# Altium PCB PCB.PcbDoc (part 1 of 2)
Units mil, origin at the board's own origin, x right, y up, seen from the top; angles counter-clockwise.
Board outline 3420 x 2445 mil, 2 copper layers (Top Layer, Bottom Layer); 53 components, 88 nets, 358 pads, 317 vias.
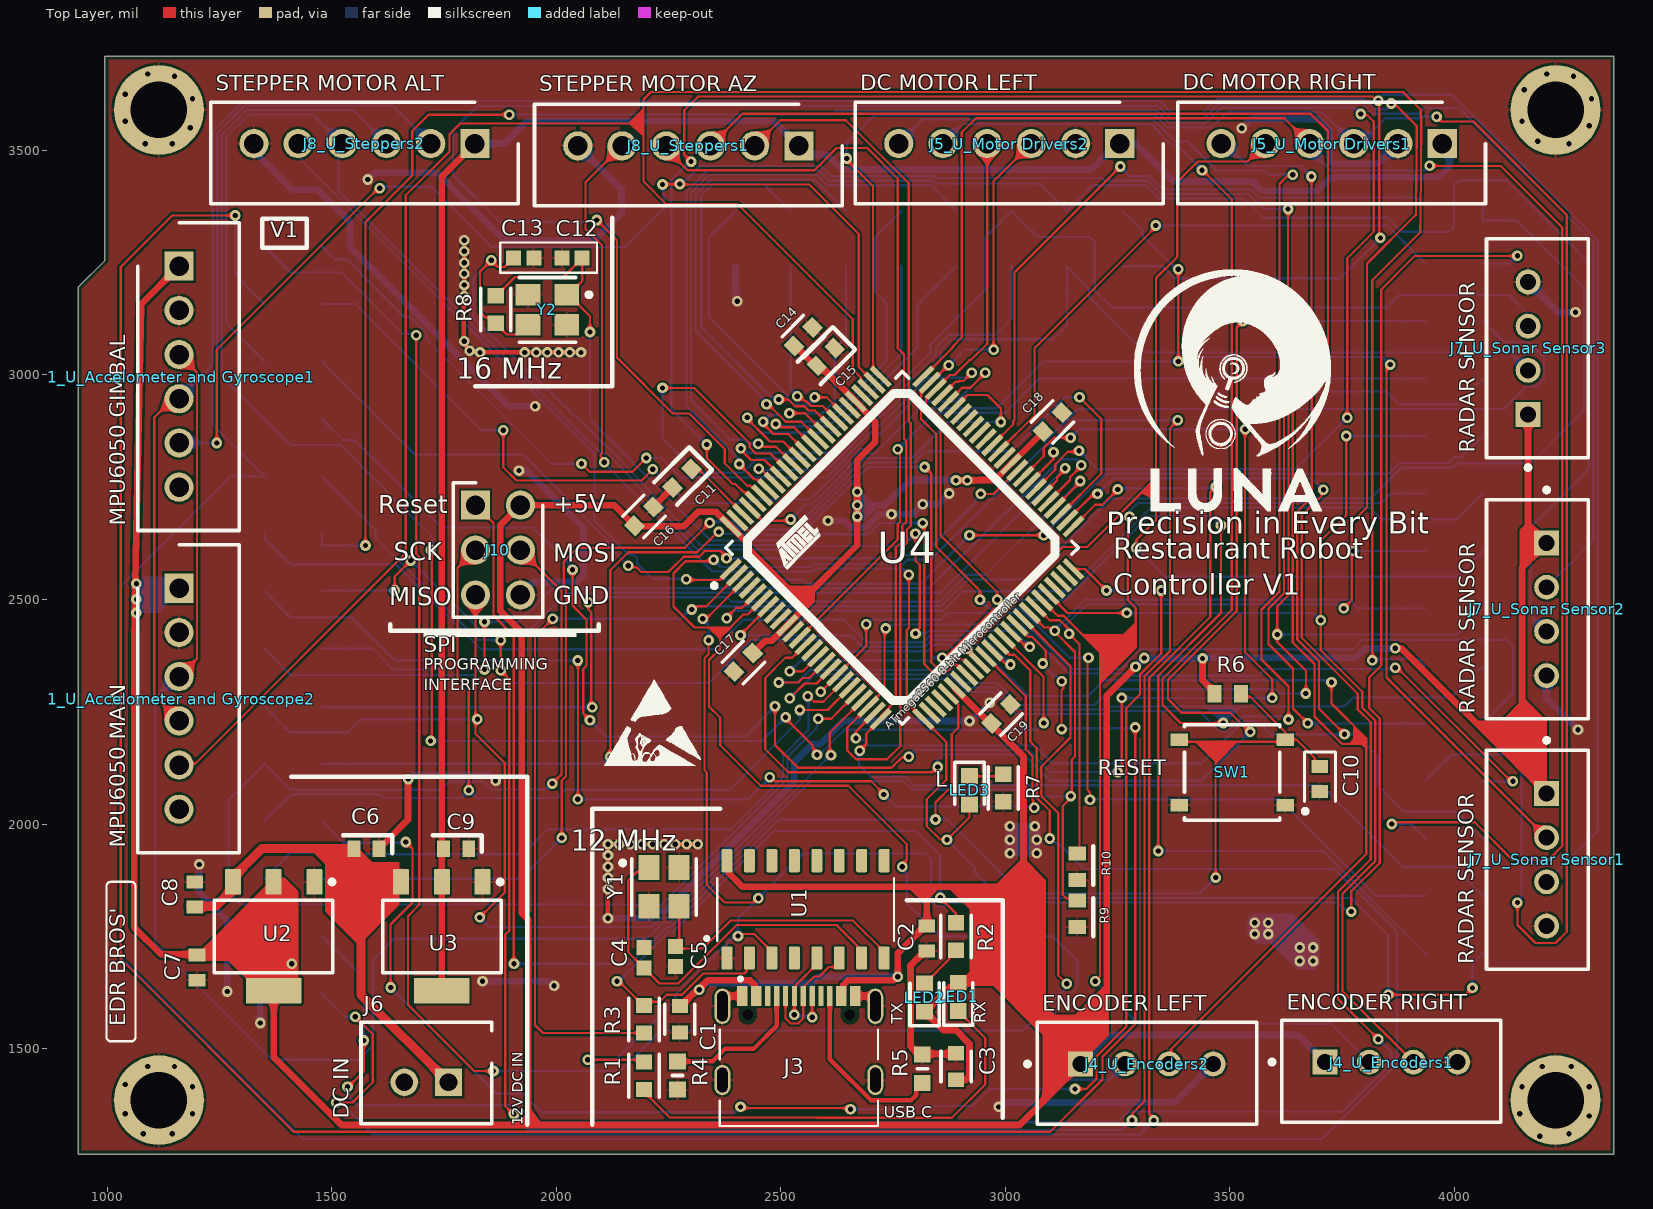
[diagram p0: Top Layer view]
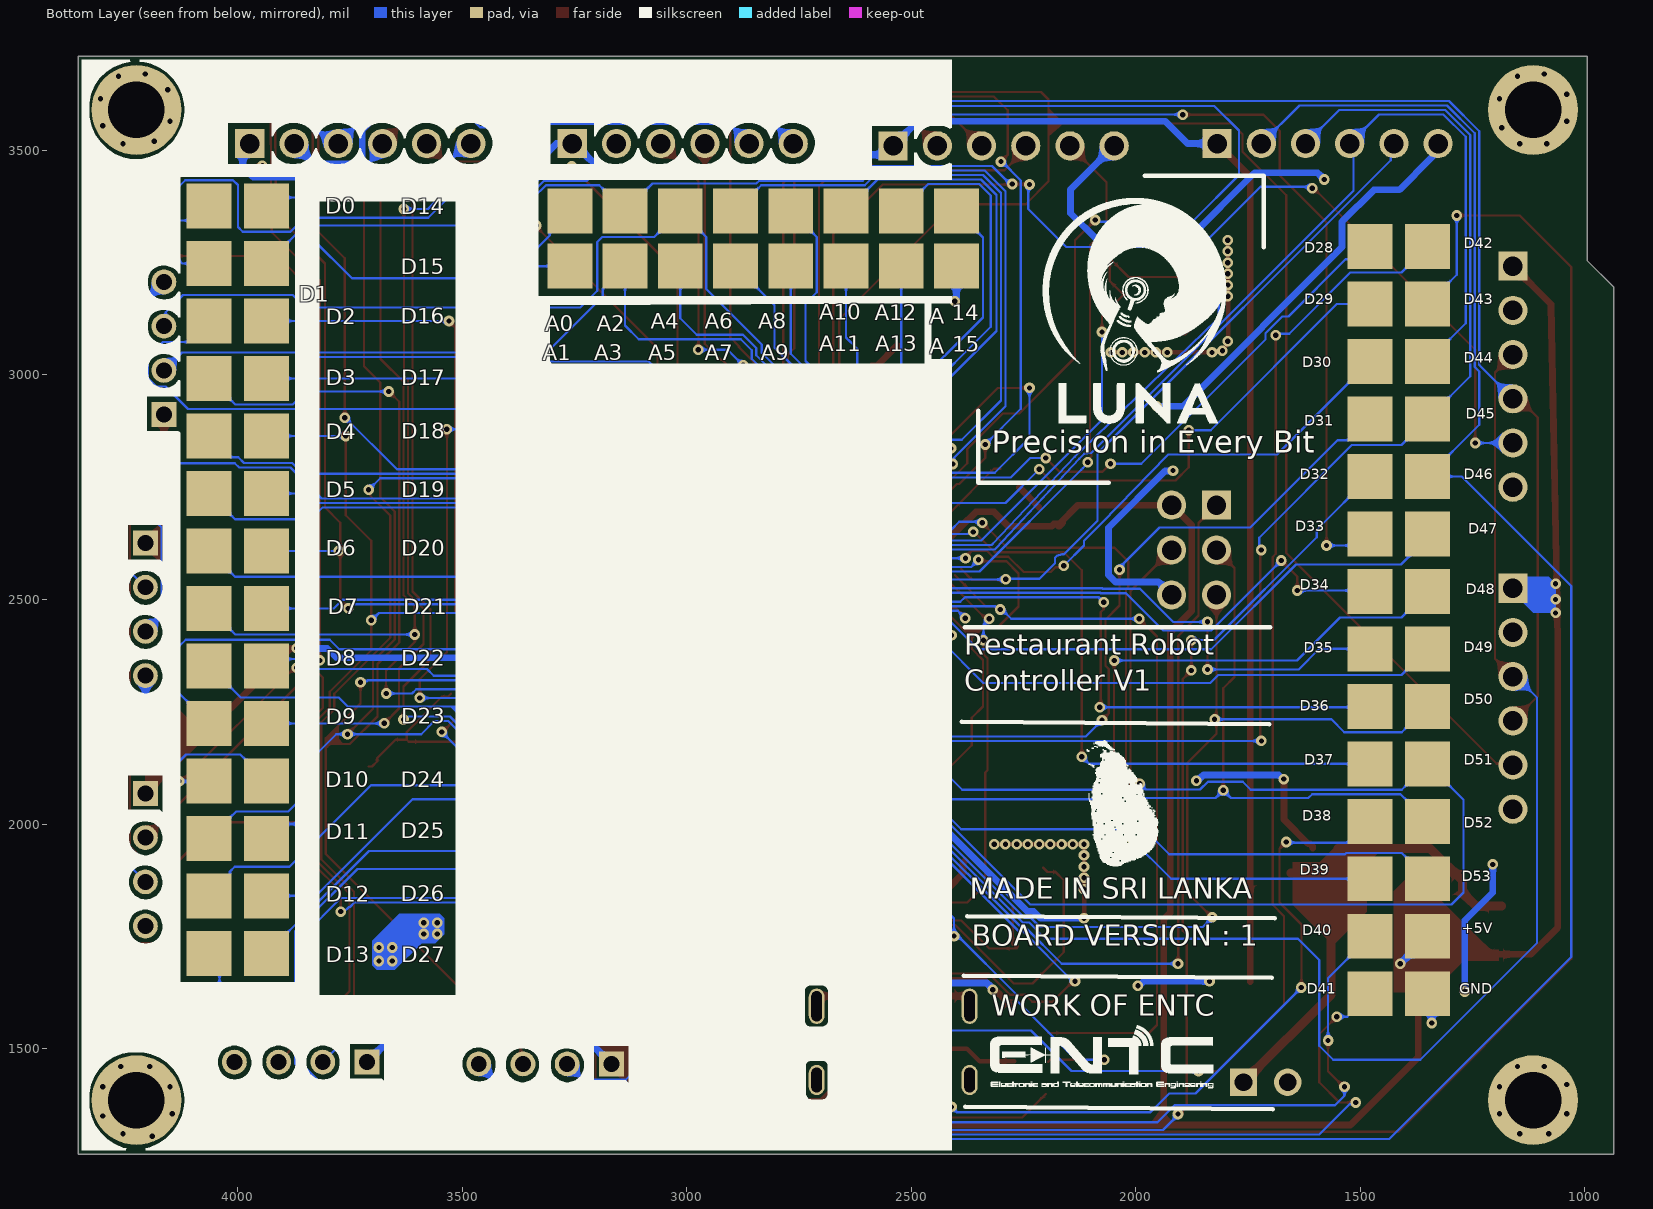
[diagram p1: Bottom Layer view, seen from below]
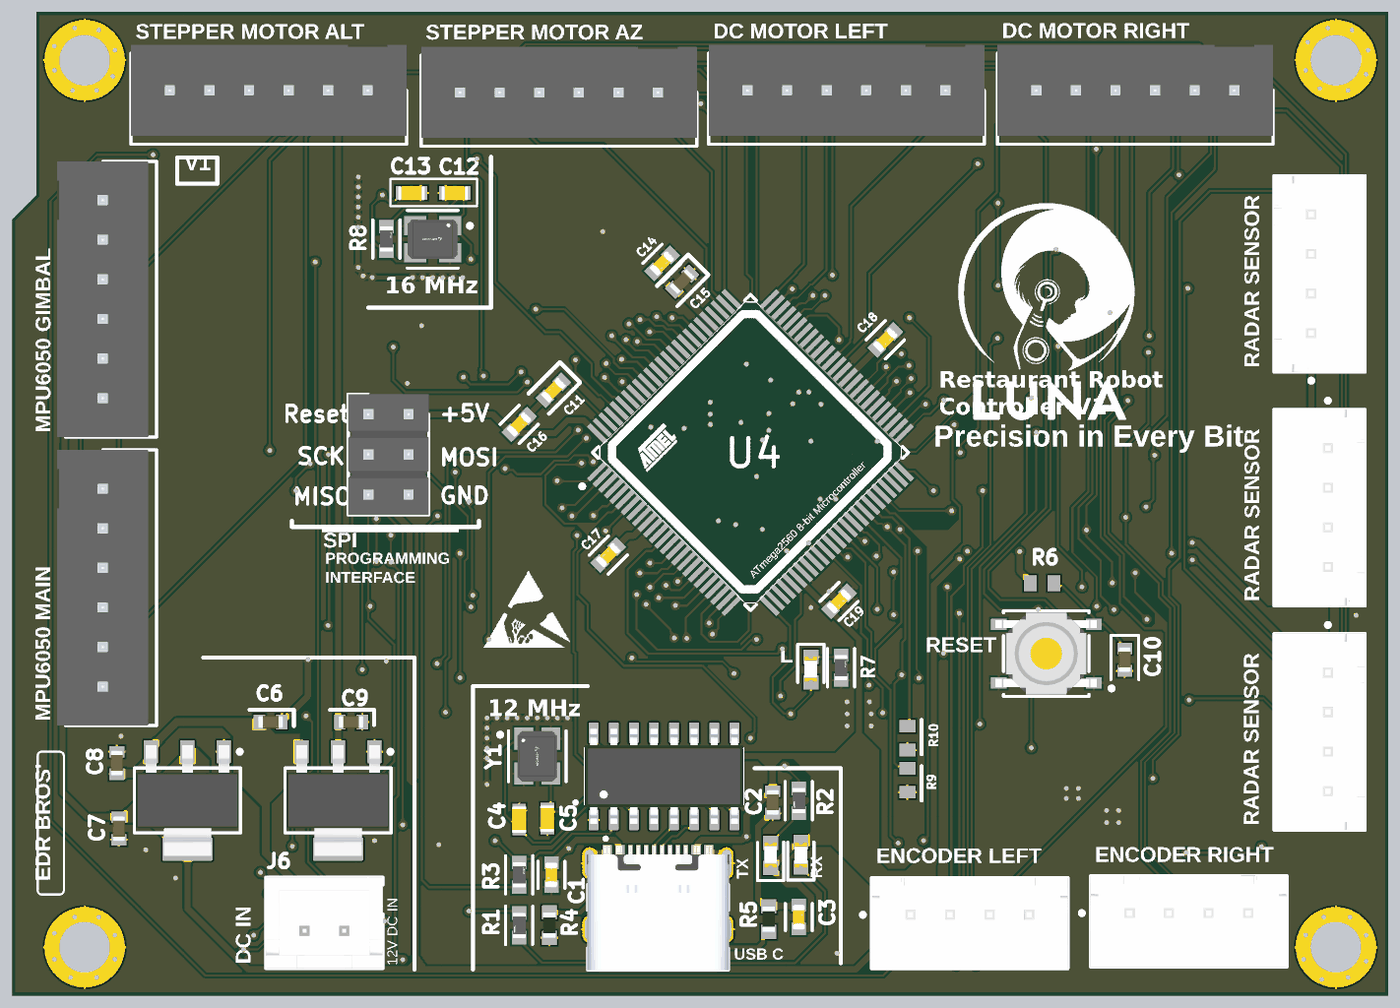
[diagram p3: 3D render of the assembled board from above, using the file's embedded part models]

## Layer stack, top to bottom
Top Solder: solder mask 0.4, Solder Resist, Dk 3.5
Top Layer: signal copper 1.4
Dielectric 1: dielectric 12.6, FR-4, Dk 4.8
Bottom Layer: signal copper 1.4
Bottom Solder: solder mask 0.4, Solder Resist, Dk 3.5

## Board outline
4355,3710 995,3710 995,3255 935,3195 935,1265 4355,1265

## Design rules (kind name [scope] priority, off if disabled: settings)
BoardOutlineClearance [All] p1: gap=7.87 ignorepadtopadclearanceinfootprint=FALSE
Clearance [All] p1: gap=5 ignorepadtopadclearanceinfootprint=FALSE except(9.84: Arc-Hole Track-Hole SMDPad-Hole THPad-Hole Via-Hole Fill-Hole Poly-Hole Region-Hole Text-Hole)
ComponentClearance [All] p1: gap=5 collisioncheckmode=3 verticalgap=5 showdistances=TRUE
DiffPairsRouting [All] p1: maxlimit=10 minlimit=5 mostfreqgap=5 toplayer_minwidth=5 toplayer_maxwidth=1000 toplayer_prefwidth=5 bottomlayer_minwidth=5 bottomlayer_maxwidth=1000 bottomlayer_prefwidth=5 maxuncoupledlength=500
Height [All] p1: minheight=0 maxheight=71497.94 prefheight=500
HoleSize [All] p1: absolutevalues=TRUE maxlimit=248.03 minlimit=11.81 maxpercent=80.000 minpercent=20.000
HoleToHoleClearance [All] p1: gap=9.84 allowstackedmicrovias=FALSE
MinimumAnnularRing [All] p1: minimumring=3
MinimumSolderMaskSliver [All] p1: minsoldermaskwidth=0
PlaneClearance [All] p1: clearance=5
PlaneConnect PlaneConnectPowerPads [InPadClass('PowerPads')] p1: planeconnectstyle=Direct reliefexpansion=20 reliefentries=4 reliefconductorwidth=10 reliefairgap=10
PlaneConnect [All] p2: pad.planeconnectstyle=Relief pad.reliefexpansion=11.81 pad.reliefentries=4 pad.reliefconductorwidth=5 pad.reliefairgap=5 via.planeconnectstyle=Direct via.reliefexpansion=11.81 via.reliefentries=4 via.reliefconductorwidth=5 via.reliefairgap=5
PolygonConnect PolygonConnectPowerPads [All vs (InPadClass('PowerPads'))] p1: connectstyle=Direct reliefconductorwidth=10 reliefentries=4 polygonreliefangle="90 Angle" airgapwidth=10
PolygonConnect [All] p2: thpad.connectstyle=Relief thpad.reliefconductorwidth=5 thpad.reliefentries=4 thpad.polygonreliefangle="90 Angle" thpad.airgapwidth=5 smdpad.connectstyle=Relief smdpad.reliefconductorwidth=5 smdpad.reliefentries=4 smdpad.polygonreliefangle="90 Angle" smdpad.airgapwidth=5 via.connectstyle=Direct via.reliefconductorwidth=5 via.reliefentries=4 via.polygonreliefangle="90 Angle" via.airgapwidth=5
RoutingVias [All] p1: holewidth=11.81 width=23.62 viastyle="Through Hole" minholewidth=11.81 minwidth=23.62 maxholewidth=23.62 maxwidth=259.84
SilkToSilkClearance [All] p1: silktosilkclearance=0
SilkToSolderMaskClearance [IsPad] p1: minsilkscreentomaskgap=5 clearancetoexposedcopper=TRUE
SolderMaskExpansion [All] p1: expansion=2.95 istentingtop=FALSE
Width [All] p1: maxlimit=1000 minlimit=5 preferedwidth=5 minimp=50.000000 maximp=50.000000 favimp=50.000000
20 further rules are at their usual default settings.

## Classes and differential pairs
channel class Steppers: U_Steppers1 U_Steppers2
channel class "Sonar Sensor": "U_Sonar Sensor1" "U_Sonar Sensor2" "U_Sonar Sensor3"
channel class "Motor Drivers": "U_Motor Drivers1" "U_Motor Drivers2"
channel class Encoders: U_Encoders1 U_Encoders2
channel class "Accelometer and Gyroscope": "U_Accelometer and Gyroscope1" "U_Accelometer and Gyroscope2"
component class U_Steppers2: J8_U_Steppers2
component class U_Steppers1: J8_U_Steppers1
component class "U_Sonar Sensor3": "J7_U_Sonar Sensor3"
component class "U_Sonar Sensor1": "J7_U_Sonar Sensor1"
component class "U_Sonar Sensor2": "J7_U_Sonar Sensor2"
component class U_Reset: C10 R6 SW1
component class U_PowerMCU: C6 C7 J6 U2
component class U_Power_Supply_Motor: C8 C9 U3
component class "U_Motor Drivers2": "J5_U_Motor Drivers2"
component class "U_Motor Drivers1": "J5_U_Motor Drivers1"
component class U_Encoders2: J4_U_Encoders2
component class U_Encoders1: J4_U_Encoders1
component class U_Cording: C1 C2 C3 C4 C5 J3 J10 LED1 LED2 R1 R2 R3 R4 R5 U1 Y1
component class "U_Accelometer and Gyroscope2": "J1_U_Accelometer and Gyroscope2"
component class "U_Accelometer and Gyroscope1": "J1_U_Accelometer and Gyroscope1"
component class MCU: C11 C12 C13 C14 C15 C16 C17 C18 C19 LED3 R7 R8 R9 R10 U4 Y2

## Components (designator, comment, footprint, x,y, rotation, side; value= is the part's Value field where it differs from the comment)
C1 "CC0603KRX7R9BB104" FP-CC0603-DA-MFG 2275,1565 r270 top value="100 nF"
C2 "CL10A106KP8NNNC" CAPC1608X90N 2825,1745 r90 top
C3 "CC0603KRX7R9BB104" FP-CC0603-DA-MFG 2890,1460 r90 top value="100 nF"
C4 "CC0603JRNPO9BN220" CAPC1608X90X40LL10T20 2195,1702.36 r270 top
C5 "CC0603JRNPO9BN220" CAPC1608X90X40LL10T20 2265,1705 r90 top
C6 "CL10A106KP8NNNC" CAPC1608X90N 1577.05,1945 r180 top
C7 "CL10A106KP8NNNC" CAPC1608X90N 1200,1680 r90 top
C8 "CL10A106KP8NNNC" CAPC1608X90N 1195,1842.95 r270 top
C9 "CL10A106KP8NNNC" CAPC1608X90N 1777.05,1945 r180 top
C10 "CL10A106KP8NNNC" CAPC1608X90N 3700,2100 r90 top
C11 "CC0603KRX7R9BB104" FP-CC0603-DA-MFG 2280,2770 r225 top value="100 nF"
C12 "CC0603JRNPO9BN220" CAPC1608X90X40LL10T20 2035,3260 r0 top
C13 "CC0603JRNPO9BN220" CAPC1608X90X40LL10T20 1927.36,3260 r180 top
C14 "CL10A106KP8NNNC" CAPC1608X90N 2600,3040 r225 top
C15 "CC0603KRX7R9BB104" FP-CC0603-DA-MFG 2550,3085 r45 top value="100 nF"
C16 "CC0603KRX7R9BB104" FP-CC0603-DA-MFG 2195,2685 r45 top value="100 nF"
C17 "CC0603KRX7R9BB104" FP-CC0603-DA-MFG 2416.46,2360 r225 top value="100 nF"
C18 "CC0603KRX7R9BB104" FP-CC0603-DA-MFG 3105,2895 r45 top value="100 nF"
C19 "CC0603KRX7R9BB104" FP-CC0603-DA-MFG 2990,2245 r45 top value="100 nF"
"J1_U_Accelometer and Gyroscope1" "B6B-XH-A_LF__SN_" SHDR6W64P0X250_1X6_1740X575X700P 1160,3242.13 r270 top (schematic designator J1)
"J1_U_Accelometer and Gyroscope2" "B6B-XH-A_LF__SN_" SHDR6W64P0X250_1X6_1740X575X700P 1160,2525 r270 top (schematic designator J1)
J3 "TYPE-C-31-M-12" HRO_TYPE-C-31-M-12 2540,1430 r0 top
J4_U_Encoders1 "4 PIN" FP-B4B-XH-A_LF_SN-MFG 3859.21,1449.33 r180 top (schematic designator J4)
J4_U_Encoders2 "4 PIN" FP-B4B-XH-A_LF_SN-MFG 3315,1445 r180 top (schematic designator J4)
"J5_U_Motor Drivers1" "B6B-XH-A_LF__SN_" SHDR6W64P0X250_1X6_1740X575X700P 3972.44,3515 r180 top (schematic designator J5)
"J5_U_Motor Drivers2" "B6B-XH-A_LF__SN_" SHDR6W64P0X250_1X6_1740X575X700P 3254.53,3515 r180 top (schematic designator J5)
J6 "2 PIN" FP-B2B-XH-AM_LF_SN-MFG 1710.79,1445.67 r0 top
"J7_U_Sonar Sensor1" "4 PIN" FP-B4B-XH-A_LF_SN-MFG 4184.33,1920.47 r90 top (schematic designator J7)
"J7_U_Sonar Sensor2" "4 PIN" FP-B4B-XH-A_LF_SN-MFG 4184.33,2478.03 r90 top (schematic designator J7)
"J7_U_Sonar Sensor3" "4 PIN" FP-B4B-XH-A_LF_SN-MFG 4184.33,3059.21 r270 top (schematic designator J7)
J8_U_Steppers1 "B6B-XH-A_LF__SN_" SHDR6W64P0X250_1X6_1740X575X700P 2540,3510 r180 top (schematic designator J8)
J8_U_Steppers2 "B6B-XH-A_LF__SN_" SHDR6W64P0X250_1X6_1740X575X700P 1818.7,3515 r180 top (schematic designator J8)
J10 "6 Pin" HDRV6W64P254_2X3_762X508X868P 1820,2710 r270 top
LED1 "Red" LEDC1608X55N 2895,1615 r90 top
LED2 "Red" LEDC1608X55N 2820,1613.5 r270 top
LED3 "Red" LEDC1608X55N 2920,2075 r270 top
R1 "AF0603FR-071K5L" FP-AF0603-IPC_B 2195,1439.42 r270 top
R2 "AF0603FR-071K5L" FP-AF0603-IPC_B 2890,1749.42 r270 top
R3 "AF0603FR-071K5L" FP-AF0603-IPC_B 2195,1565 r90 top
R4 "0603WAF5101T5E" RESC1608X55N 2270,1440 r90 top
R5 "0603WAF5101T5E" RESC1608X55N 2815,1455 r90 top
R6 "RC0603JR-0710KL" RESC1608X55X25ML10T15 3495,2290 r180 top
R7 "AF0603FR-071K5L" FP-AF0603-IPC_B 2995,2080 r90 top
R8 "AF0603FR-071K5L" FP-AF0603-IPC_B 1865,3145.58 r90 top
R9 "RC0603JR-0710KL" RESC1608X55X25ML10T15 3160,1800 r90 top
R10 "RC0603JR-0710KL" RESC1608X55X25ML10T15 3160,1905 r90 top
SW1 "PTS526SK15SMTR2LFS" FP-PTS526SK15SMTR2LFS-MFG 3505,2115 r180 top
U1 "CH340G" SOIC127P600X180-16N 2555,1810 r90 top
U2 "LM1117MPX-5.0" DCY0004A_L 1370.55,1750 r270 top
U3 "LM1117MPX-5.0" DCY0004A_L 1745,1750 r270 top
U4 "ATMEGA2560-16AUR" FP-100A-MFG 2770,2615 r45 top
Y1 "ABM8G-12.000MHZ-18-D2Y-T" FP-ABM8G-MFG 2240,1860 r270 top
Y2 "ABM8G-16.000MHZ-18-D2Y-T" FP-ABM8G-MFG 1980,3145 r180 top

## Footprints (in the part's own frame and the unit in brackets; to place one, negate y for a bottom-side part, rotate by r counter-clockwise, add the part's x,y. Pads: shape width x height; smd on the part's side, far side on the other; paste and mask are expansions set on the pad)
CAPC1608X90N [mm]
  rect 0.73x0.94 smd: 1(-0.71,0) 2(0.71,0)
  body extent -0.8,-0.4 0.8,0.4, height 0.9
CAPC1608X90X40LL10T20 [mm] "Chip Capacitor, 2-Leads, Body 1.7x0.9mm, IPC High Density"
  rect 0.85x0.85 smd: 1(-0.575,0) 2(0.575,0)
  body extent -0.85,-0.45 0.85,0.45, height 0.9
DCY0004A_L [mm] "SOT223, 4-Leads, Body 6.7x3.7mm, Pitch 2.3mm, IPC High Density"
  rrect11% 1.45x0.9 smd: 1(-3.075,2.3) 2(-3.075,0) 3(-3.075,-2.3)
  rrect7% 1.45x3.15 smd: 4(3.075,0)
  silkscreen extent -3.2,-3.35 2.05,3.43, body extent -3.5,-3.25 3.5,3.25, height 1.62
FP-100A-MFG [mm]
  rect 1.5x0.3 smd paste+0 mask+0: 1(-7.7,6) 2(-7.7,5.5) 3(-7.7,5) 4(-7.7,4.5) 5(-7.7,4) 6(-7.7,3.5) 7(-7.7,3) 8(-7.7,2.5) 9(-7.7,2) 10(-7.7,1.5) 11(-7.7,1) 12(-7.7,0.5) 13(-7.7,0) 14(-7.7,-0.5) 15(-7.7,-1) 16(-7.7,-1.5) 17(-7.7,-2) 18(-7.7,-2.5) 19(-7.7,-3) 20(-7.7,-3.5) 21(-7.7,-4) 22(-7.7,-4.5) 23(-7.7,-5) 24(-7.7,-5.5) 25(-7.7,-6) 51(7.7,-6) 52(7.7,-5.5) 53(7.7,-5) 54(7.7,-4.5) 55(7.7,-4) 56(7.7,-3.5) 57(7.7,-3) 58(7.7,-2.5) 59(7.7,-2) 60(7.7,-1.5) 61(7.7,-1) 62(7.7,-0.5) 63(7.7,0) 64(7.7,0.5) 65(7.7,1) 66(7.7,1.5) 67(7.7,2) 68(7.7,2.5) 69(7.7,3) 70(7.7,3.5) 71(7.7,4) 72(7.7,4.5) 73(7.7,5) 74(7.7,5.5) 75(7.7,6)
  rect 0.3x1.5 smd paste+0 mask+0: 26(-6,-7.7) 27(-5.5,-7.7) 28(-5,-7.7) 29(-4.5,-7.7) 30(-4,-7.7) 31(-3.5,-7.7) 32(-3,-7.7) 33(-2.5,-7.7) 34(-2,-7.7) 35(-1.5,-7.7) 36(-1,-7.7) 37(-0.5,-7.7) 38(0,-7.7) 39(0.5,-7.7) 40(1,-7.7) 41(1.5,-7.7) 42(2,-7.7) 43(2.5,-7.7) 44(3,-7.7) 45(3.5,-7.7) 46(4,-7.7) 47(4.5,-7.7) 48(5,-7.7) 49(5.5,-7.7) 50(6,-7.7) 76(6,7.7) 77(5.5,7.7) 78(5,7.7) 79(4.5,7.7) 80(4,7.7) 81(3.5,7.7) 82(3,7.7) 83(2.5,7.7) 84(2,7.7) 85(1.5,7.7) 86(1,7.7) 87(0.5,7.7) 88(0,7.7) 89(-0.5,7.7) 90(-1,7.7) 91(-1.5,7.7) 92(-2,7.7) 93(-2.5,7.7) 94(-3,7.7) 95(-3.5,7.7) 96(-4,7.7) 97(-4.5,7.7) 98(-5,7.7) 99(-5.5,7.7) 100(-6,7.7)
  silkscreen extent -9.15,-7.05 7.05,7.05, body extent -8.55,-8.55 8.55,8.55, height 0.25
FP-ABM8G-MFG [mm]
  rect 1.4x1.2 smd paste+0 mask+0: 1(-1.1,-0.85) 2(1.1,-0.85) 3(1.1,0.85) 4(-1.1,0.85)
  silkscreen extent -1.6,-2.47 1.6,1.83, body extent -1.9,-1.55 1.9,1.55, height 0.25
FP-AF0603-IPC_B [mil]
  rect 33.81x35.91 smd paste+0 mask+0: 1(-30.58,0) 2(30.58,0)
  silkscreen extent -47,-34 47,34, body extent -57,-28 57,28, height 10
FP-B2B-XH-AM_LF_SN-MFG [mm]
  rect 1.55x1.55 hole 1 paste-2539.97 mask+0: 1(1.25,-0.525)
  round 1.55 hole 1 paste-2539.97 mask+0: 2(-1.25,-0.525)
  silkscreen extent -3.7,-2.88 3.7,2.87, body extent -3.8,-2.98 3.8,2.98, height 0.25
FP-B4B-XH-A_LF_SN-MFG [mm]
  rect 1.4x1.4 hole 0.9 paste-2539.97 mask+0: 1(3.75,-0.525)
  round 1.4 hole 0.9 paste-2539.97 mask+0: 2(1.25,-0.525) 3(-1.25,-0.525) 4(-3.75,-0.525)
  silkscreen extent -6.2,-2.88 6.87,2.87, body extent -6.3,-2.98 6.3,2.98, height 0.25
FP-CC0603-DA-MFG [mm]
  rect 0.8x0.9 smd paste+0 mask+0: 1(-0.75,0) 2(0.75,0)
  silkscreen extent -0.85,-0.85 0.85,0.85, body extent -1.35,-0.75 1.35,0.75, height 0.25
FP-PTS526SK15SMTR2LFS-MFG [mm]
  rect 1x0.7 smd paste+0 mask+0: 1(-3,1.85) 2(3,1.85) 3(-3,-1.85) 4(3,-1.85)
  silkscreen extent -4.25,-2.7 2.7,2.7, body extent -3.6,-2.8 3.6,2.8, height 0.25
HDRV6W64P254_2X3_762X508X868P [mm]
  rect 1.65x1.65 hole 1.1: 1(0,0)
  round 1.65 hole 1.1: 2(0,2.54) 3(2.54,0) 4(2.54,2.54) 5(5.08,0) 6(5.08,2.54)
  silkscreen extent -1.27,-1.27 6.35,3.81, body extent -1.27,-1.27 6.35,3.81, height 8.68
HRO_TYPE-C-31-M-12 [mm]
  rect 0.6x1.14 smd mask+0.05: A1_B12(-3.2,4.75) B1_A12(3.2,4.75) B4_A9(2.4,4.75)
  rect 0.6x1.14 smd mask+0.051: A4_B9(-2.4,4.75)
  rect 0.3x1.14 smd mask+0.05: A5(-1.25,4.75) A6(-0.25,4.75) A7(0.25,4.75) A8(1.25,4.75) B5(1.75,4.75) B6(0.75,4.75) B7(-0.75,4.75) B8(-1.75,4.75)
  oval 0.9x2 hole 0.6 slot 1.7 at 90 deg: S1(-4.325,4.17) S2(4.325,4.17)
  oval 0.9x1.7 hole 0.6 slot 1.4 at 90 deg: S3(-4.325,0) S4(4.325,0)
  round 0 hole 0.6 unplated: ""(-2.89,3.68) ""(2.89,3.68)
  silkscreen extent -4.47,-2.6 4.47,5.81, body extent -4.47,-2.6 4.47,5.31, height 3.31
LEDC1608X55N [mm]
  rect 0.9x0.95 smd: 1(-0.8,0) 2(0.8,0)
  silkscreen extent -1.6,-0.82 0.8,0.82, body extent -0.83,-0.4 0.77,0.4, height 0.55
RESC1608X55N [mm]
  rect 0.9x0.95 smd: 1(-0.8,0) 2(0.8,0)
  silkscreen extent 0,-0.3 0,0.3, body extent -0.8,-0.4 0.8,0.4, height 0.55
RESC1608X55X25ML10T15 [mm] "Chip Resistor, 2-Leads, Body 1.60x0.80mm, IPC Low Density"
  rect 0.8x1 smd: 1(-0.75,0) 2(0.75,0)
  body extent -0.85,-0.45 0.85,0.45, height 0.55
SHDR6W64P0X250_1X6_1740X575X700P [mm]
  rect 1.65x1.65 hole 1.1: 1(0,0)
  round 1.65 hole 1.1: 2(2.5,0) 3(5,0) 4(7.5,0) 5(10,0) 6(12.5,0)
  silkscreen extent -2.45,-2.35 14.95,3.4, body extent -2.45,-2.88 14.95,2.88, height 7
SOIC127P600X180-16N [mm]
  rrect25% 1.31x0.62 smd: 1(-2.75,4.445) 2(-2.75,3.175) 3(-2.75,1.905) 4(-2.75,0.635) 5(-2.75,-0.635) 6(-2.75,-1.905) 7(-2.75,-3.175) 8(-2.75,-4.445) 9(2.75,-4.445) 10(2.75,-3.175) 11(2.75,-1.905) 12(2.75,-0.635) 13(2.75,0.635) 14(2.75,1.905) 15(2.75,3.175) 16(2.75,4.445)
  silkscreen extent -1.78,-5 1.78,5.69, body extent -3,-5 3,5, height 1.8
